# KiCad board 2000ATX.kicad_pcb (continued)
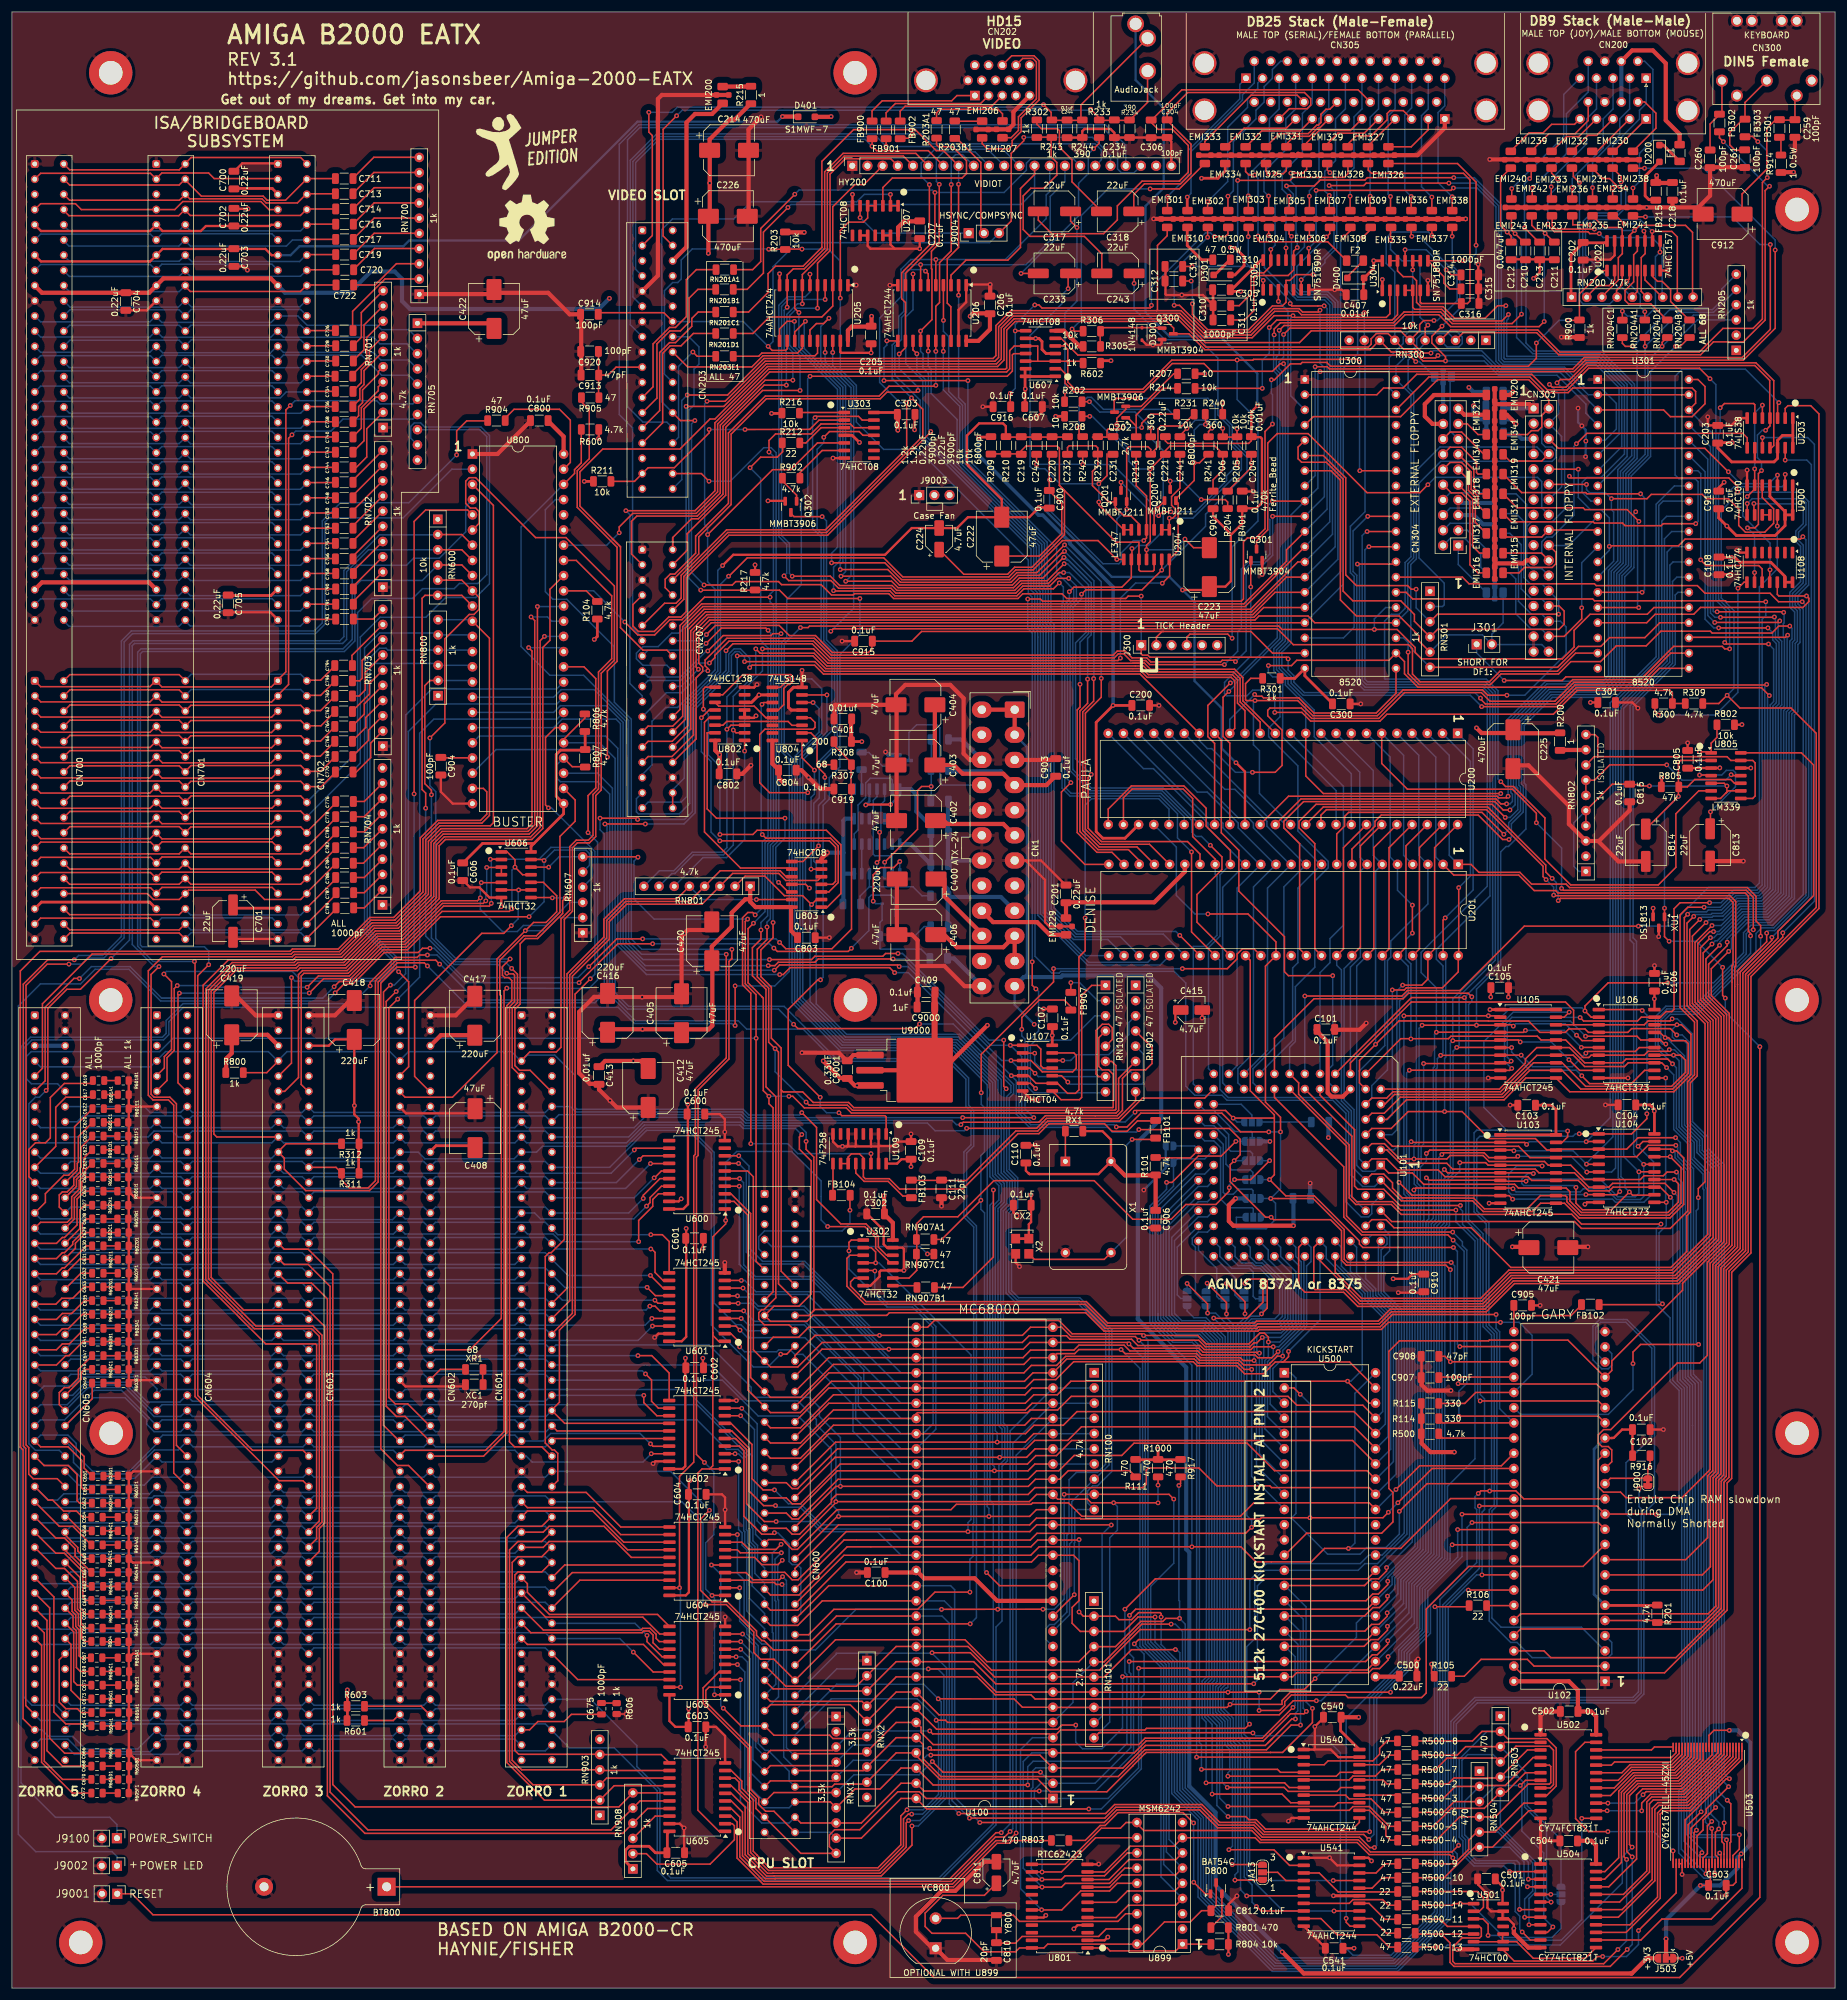
[diagram p0: board, top side]
## Routing (per net, layer and track width the routed paths; a pad name or vN(x,y) marks a point on that pad's centre or on a via; arc(x,y) is an arc through that point) (continued)
  Bottom w0.25: RN301.2 239.17,230.86 239.46,231.14 239.46,234.76 235.25,238.97 235.25,251.46 238.89,255.11 257.5,255.11 258.12,255.73 258.12,256.9 257.5,257.51 256.38,257.51 255.76,258.12 255.76,262.78 CN303.2
/Floppy and Parallel/_DKRST: length 66.1
  Top w0.25: v1(234.7,271.78) 233.6,272.88 178.19,272.88 175.4,275.67 U607.6
  Bottom w0.25: EMI312.1 235.33,271.78 v1(234.7,271.78)
/Floppy and Parallel/_DKWDB: length 62.6
  Top w0.25: v1(261.56,258.04) 263.31,259.79 289.36,259.79 290.12,259.03 290.12,257.11 ; CN303.22 255.72,239.78 EMI315.1
  Bottom w0.25: v1(261.56,258.04) 261.56,258.02 261.15,257.61 261.15,246.11 257.5,242.46 256.57,242.46 255.76,241.66 255.76,239.73 CN303.22
/Floppy and Parallel/_DKWEB: length 99.3
  Top w0.25: 293.93,257.11 294.55,257.74 294.55,268.59 291.58,271.57 263.24,271.57 260.45,268.78 258.88,268.78 v1(258.32,268.22)
  Bottom w0.25: EMI314.1 251.46,249.68 253.22,247.92 253.22,243.83 ; v1(258.32,268.22) 259.59,266.95 259.59,247.09 257.5,245 254.03,245 253.22,244.2 253.22,243.83 ; 253.22,243.83 253.22,237.99 254.03,237.19 255.76,237.19 CN303.24
/Floppy and Parallel/_INUSE0: length 43.6
  Top w0.25: v1(286.97,253.37) 283.02,257.29 258.53,257.29 CN303.6 ; U900.3 v1(295.17,252.81)
  Bottom w0.25: v1(286.97,253.37) 288.95,251.38 293.75,251.38 v1(295.17,252.81)
/Floppy and Parallel/_INUSE1: length 99.5
  Top w0.25: U108.9 v1(291.34,236.52) ; v1(293.19,260.3) 293.92,261.03 U203.4 ; 293.88,262.11 293.88,268.63 291.39,271.12 263.42,271.12 259.8,267.5 257.52,267.5 v1(257.05,267.97) ; v1(292.5,253.57) 291.99,253.05 291.99,244.58 291.4,243.99 v1(290.17,243.99)
  Bottom w0.25: v1(292.5,253.57) 292.5,255.04 291.82,255.72 291.82,259.49 292.63,260.3 v1(293.19,260.3) ; v1(291.34,236.52) 291.34,242.82 v1(290.17,243.99) ; v1(257.05,267.97) 258.57,266.45 258.57,263.05 CN303.4 259.08,259.28 259.08,250.86 CN303.14
/Floppy and Parallel/_IORST: length 61.6
  Top w0.25: 166.91,264.24 v1(166.91,266.48) ; 203.3,294.26 203.3,293.12 202.84,292.66 v1(201.02,292.66) ; v1(171.01,281.24) 171.7,281.24 172.21,280.74 190.31,280.74 190.5,280.92 v1(190.5,281.18) ; 169.38,276.91 v1(167.74,276.91)
  Bottom w0.25: v1(201.02,292.66) 200.39,293.28 199.55,293.28 190.5,284.23 v1(190.5,281.18) ; v1(166.91,266.48) 167.74,267.32 v1(167.74,276.91) 167.74,277.98 v1(171.01,281.24)
/Floppy and Parallel/_KBDATA: length 16
  Top w0.25: 289.7,307.08 288.1,307.08 287.2,307.99 287.2,310.06 289.35,312.21 ; CN300.2 289.75,315.08 289.75,312.21
/Floppy and Parallel/_MTROD: length 76.4
  Top w0.25: v1(236.73,251.21) 235.4,249.88 226.56,249.88 216.69,259.75 211.54,259.75 209.95,258.16 209.95,243.65 208.08,241.78 208.08,240.47
  Bottom w0.25: v1(236.73,251.21) 237.95,252.43 255.06,252.43 255.76,251.73 255.76,247.35 CN303.16
/Floppy and Parallel/_MTRX: length 84
  Top w0.25: EMI311.1 250.68,245 264.38,245 264.59,244.8 269.26,244.8 269.7,244.36 275.74,244.36 276.07,244.69 v1(281.51,244.69) ; v1(295.4,264.92) 295.19,264.71 U203.3
  Bottom w0.25: v1(295.4,264.92) 289.81,270.51 279.24,270.51 278.06,269.33 278.06,252.83 278.69,252.19 281.41,252.19 281.9,251.71 281.9,245.08 v1(281.51,244.69)
/Floppy and Parallel/_RDY: length 77.3
  Top w0.25: RN301.5 235.27,225.05 235.27,225.93 231.93,229.27 224.78,229.27 222.1,231.95 222.1,251.97 220.52,253.54 U300.7
  Bottom w0.25: EMI322.1 249.3,228.12 247.42,226.24 J301.2 245.85,226.11 239.96,226.11 RN301.5 ; CN303.34 255.76,224.49 247.47,224.49
/Floppy and Parallel/_TRK0: length 88.8
  Top w0.25: v1(258.59,229.57) 238.34,229.57 RN301.3 ; U300.6 219.26,256.08 223,252.34 223,236.13 224.78,234.35 233.33,234.35 233.94,233.74 v1(234.76,233.74)
  Bottom w0.25: v1(258.59,229.57) 258.59,231.83 CN303.26 255.76,234.65 253.84,234.65 252.77,235.71 252.77,245.07 251.46,246.38 EMI339.1 ; RN301.3 234.76,230.64 v1(234.76,233.74)
/Floppy and Parallel/_WPROT: length 95
  Top w0.25: CN303.28 258.67,230.94 259.51,230.1 259.51,227.89 258.65,227.03 238.34,227.03 RN301.4 234.47,228.38 234.47,229.52 232.19,231.81 224.17,231.81 222.55,233.43 222.55,252.15 219.74,254.96 215.61,254.96 215.03,255.54 215.03,257.5 U300.5
  Bottom w0.25: EMI324.1 250.44,243.08 252.32,241.2 252.32,233.81 254.03,232.11 255.76,232.11 CN303.28
/Memory and Kickstart/_MCASL: length 93.7
  Top w0.25: 234.55,11.49 238.8,11.49 239.99,10.29 U501.4 245.34,10.29 245.67,9.97 245.67,8.68 245.37,8.38 242.44,8.38 240.88,6.81 240.88,4.46 241.28,4.06 266.13,4.06 v1(268.5,6.44) ; 282.23,40.28 282.23,38.22 278.64,34.62 271.63,34.62 269.53,32.52 269.53,21.93 v1(269.96,21.49)
  Bottom w0.25: v1(268.5,6.44) 269.96,7.89 v1(269.96,21.49)
/Memory and Kickstart/_MCASU: length 90
  Top w0.25: v1(270.05,6.45) 267.21,3.61 241.09,3.61 240.43,4.28 240.43,7.54 238.95,9.02 ; 238.95,9.02 234.69,9.02 ; 238.95,9.02 U501.5 ; 282.73,40.28 282.73,38.09 278.82,34.17 271.82,34.17 269.98,32.33 269.98,22.82 v1(270.89,21.91)
  Bottom w0.25: v1(270.89,21.91) 270.89,7.29 v1(270.05,6.45)
/Memory and Kickstart/_MRAS0: length 15.4
  Top w0.25: 234.55,16.13 245,16.13 246.01,15.11 246.01,13.5 245.34,12.83 U501.2
/Memory and Kickstart/_MRAS1: length 34.1
  Top w0.25: U501.1 241.08,14.1 240.81,13.83 234.56,13.83
  Bottom w0.25: v1(242.14,14.11) 243.82,14.11 249.49,8.44 257.45,8.44 258.98,9.97 JA14.3
/Memory and Kickstart/_MWE: length 72.5
  Top w0.25: v1(270.87,23.54) 270.43,23.98 270.43,32.15 272.01,33.72 279.01,33.72 284.23,38.95 284.23,40.28 ; v1(238.22,6.85) 234.56,6.85
  Bottom w0.25: v1(238.22,6.85) 239.66,6.85 240,7.19 258.86,7.19 269.23,17.56 269.23,21.9 v1(270.87,23.54)
/Memory and Kickstart/_SRAMCE: length 40.8
  Top w0.25: 278.23,20.78 278.23,15.9 v1(271.94,9.61) ; 249.21,6.47 251.16,4.51 264.3,4.51 265.05,5.26 v1(265.95,5.26)
  Bottom w0.25: v1(271.94,9.61) 271.94,7.27 269.94,5.26 v1(265.95,5.26)
/Memory and Kickstart/CAS: length 23.7
  Top w0.25: 244.26,7.74 249.21,7.74 ; 249.21,7.74 249.21,9.01 ; 249.21,7.74 251.58,7.74 254.35,4.96 263.04,4.96 U504.13
/Memory and Kickstart/DRAB0: length 49.5
  Top w0.25: U502.2 249.56,41.05 RN503.3 243.05,40.34 241.63,38.91 234.52,38.91
  Bottom w0.25: JA14.1 258.98,24.8 253.34,30.44 253.34,35.84 RN503.3
/Memory and Kickstart/DRAB1: length 51.1
  Top w0.25: U502.3 253.37,39.78 RN503.5 ; 248.69,35.1 241.09,35.1 240.09,34.1 234.55,34.1 ; v1(257.33,14.36) 255.56,14.36
  Bottom w0.25: RN503.5 251.83,35.26 252.89,34.19 252.89,30.26 256.56,26.59 256.56,15.13 v1(257.33,14.36)
/Memory and Kickstart/DRAB2: length 56.5
  Top w0.25: U504.7 252.07,13.11 v1(252.05,13.13) ; U502.4 254.33,38.51 249.66,33.84 245.5,33.84 ; RN504.2 241.3,33.69 239.32,31.7 234.55,31.7
  Bottom w0.25: v1(252.05,13.13) 252.05,16.93 252.05,20.83 251.58,21.29 245.31,21.29 245.31,21.3 244.79,21.3 243.48,22.6 243.48,24.98 242.87,25.59 242.87,31.21 RN504.2
/Memory and Kickstart/DRAB3: length 55.6
  Top w0.25: U502.5 257.05,37.24 257.28,37.01 257.28,34.33 257.03,34.08 253.48,34.08 248.01,28.61 RN504.4 242.05,28.61 238.15,24.7 234.54,24.7 ; v1(252.9,11.83) 255.53,11.83
  Bottom w0.25: v1(252.9,11.83) 252.9,14.86 254.25,16.21 254.25,20.92 246.56,28.61 RN504.4
/Memory and Kickstart/DRAB4: length 51.7
  Top w0.25: U502.6 253.03,35.97 249.77,32.72 RN503.6 246.15,30.02 240.63,30.02 237.63,27.02 234.54,27.02 ; U504.9 v1(253.63,10.57)
  Bottom w0.25: v1(253.63,10.57) 253.63,14.95 254.7,16.02 254.7,21.1 248.84,26.96 RN503.6
/Memory and Kickstart/DRAB5: length 51.6
  Top w0.25: U502.7 253.03,34.7 v1(252.17,33.84) ; RN504.3 241.12,31.15 239.32,29.35 234.55,29.35 ; U504.10 256.71,9.3 v1(257.62,10.21)
  Bottom w0.25: v1(257.62,10.21) 256.11,11.72 256.11,22.56 252.44,26.22 252.44,33.61 252.21,33.84 v1(252.17,33.84) 248.04,33.84 RN504.3
/Memory and Kickstart/DRAB6: length 81.4
  Top w0.25: v1(252.5,9.37) 253.84,8.03 U504.11 ; 234.56,36.5 238,36.5 239.92,38.43 248.21,38.43 RN503.4 251.46,40.41 257.06,40.41 257.73,39.74 257.73,33.97 257.19,33.43 U502.8
  Bottom w0.25: v1(252.5,9.37) 252.1,9.77 252.1,12.01 251.32,12.78 251.32,20.65 251.13,20.84 244.61,20.84 243.03,22.42 243.03,24.79 242.42,25.4 242.42,38.06 243.36,39 247.63,39 RN503.4
/Memory and Kickstart/DRAB7: length 74.3
  Top w0.25: U502.9 256.58,32.16 258.18,33.76 258.18,40.13 256.63,41.68 250.04,41.68 RN503.2 245.77,42.88 244.18,41.29 234.51,41.29 ; U504.2 v1(250.38,19.46)
  Bottom w0.25: v1(250.38,19.46) 249.45,20.39 244.42,20.39 242.58,22.23 242.58,24.6 241.97,25.22 241.97,38.25 246.6,42.88 RN503.2
/Memory and Kickstart/DRAB8: length 40.8
  Top w0.25: v1(253.53,18.19) U504.3 ; 244.92,26.07 243.56,24.71 243.56,23.19 241.14,20.77 234.56,20.77 ; RN504.5 247.93,26.07 252.76,30.89 U502.10
  Bottom w0.25: v1(253.53,18.19) 253.53,21.01 248.47,26.07 RN504.5
/Memory and Kickstart/DRAB9: length 40.7
  Top w0.25: U504.4 v1(253.37,16.92) ; U502.11 253.61,29.62 247.51,23.53 RN504.6 244.54,23.53 239.45,18.44 234.55,18.44
  Bottom w0.25: v1(253.37,16.92) 252.8,17.48 252.8,21.09 250.37,23.53 RN504.6
/Memory and Kickstart/DRABx: length 3.4
  Top w0.25: U504.5 v1(257.28,15.65)
  Bottom w0.25: v1(257.28,15.65) 258.98,15.65
/Memory and Kickstart/DRAC0: length 35.9
  Top w0.25: v1(277.72,22.92) 277.73,22.9 277.73,20.78 ; U502.23 262.97,41.05 261.42,39.5 261.42,28.31 263.6,26.14 v1(266.82,26.14)
  Bottom w0.25: v1(266.82,26.14) 274.49,26.14 v1(277.72,22.92)
/Memory and Kickstart/DRAC1: length 13.1
  Top w0.25: U502.22 274.11,39.78 274.6,40.28 277.73,40.28
/Memory and Kickstart/DRAC2: length 14.6
  Top w0.25: U503.23 278.23,39.31 277.43,38.51 U502.21
/Memory and Kickstart/DRAC3: length 15.7
  Top w0.25: U502.20 267.4,37.24 267.93,37.77 277.33,37.77 278.73,39.18 U503.22
/Memory and Kickstart/DRAC4: length 16.8
  Top w0.25: U502.19 269.17,35.97 270.52,37.32 277.52,37.32 279.23,39.04 U503.21
/Memory and Kickstart/DRAC5: length 17.9
  Top w0.25: U503.20 279.73,38.9 277.7,36.87 270.7,36.87 268.53,34.7 U502.18
/Memory and Kickstart/DRAC6: length 19
  Top w0.25: U503.19 280.23,38.77 277.89,36.42 270.89,36.42 267.9,33.43 U502.17
/Memory and Kickstart/DRAC7: length 20.1
  Top w0.25: U503.18 280.73,38.63 278.08,35.97 271.08,35.97 267.27,32.16 U502.16
/Memory and Kickstart/DRAC8: length 25.3
  Top w0.25: U503.8 285.73,39.18 279.38,32.82 273.23,32.82 v1(272.7,32.29) ; U502.15 v1(266.82,30.89)
  Bottom w0.25: v1(272.7,32.29) 271.3,30.89 v1(266.82,30.89)
/Memory and Kickstart/DRAC9: length 27.3
  Top w0.25: v1(272.47,29.61) 272.47,30.9 273.94,32.37 279.57,32.37 286.23,39.04 286.23,40.28 ; U502.14 v1(266.7,29.62)
  Bottom w0.25: v1(266.7,29.62) 272.46,29.62 v1(272.47,29.61)
/Memory and Kickstart/DRAD1: length 40.7
  Top w0.25: U504.19 268.79,14.38 273.77,19.36 273.77,30.79 274.42,31.43 279.9,31.43 287.23,38.77 287.23,40.28
/Memory and Kickstart/DRAD2: length 42.1
  Top w0.25: 287.73,40.28 287.73,38.63 280.08,30.98 275.18,30.98 274.22,30.03 274.22,18.12 269.21,13.11 U504.18
/Memory and Kickstart/DRAD3: length 43.2
  Top w0.25: U504.17 268.58,11.84 274.67,17.93 274.67,29.84 275.37,30.53 280.27,30.53 288.23,38.49 288.23,40.28
/Memory and Kickstart/DRAD4: length 45.6
  Top w0.25: 288.73,40.28 288.73,38.36 280.46,30.08 275.96,30.08 275.12,29.24 275.12,15.19 270.5,10.57 U504.16
/Memory and Kickstart/DRAD5: length 46.7
  Top w0.25: U504.15 269.87,9.3 275.57,15 275.57,29.06 275.58,29.06 275.58,29.06 276.16,29.63 280.64,29.63 289.23,38.22 289.23,40.28
/Memory and Kickstart/DRAD6: length 32.1
  Top w0.25: U504.14 272.35,8.03 275.85,11.53 284.1,11.53 289.23,16.67 289.23,20.78
/Memory and Kickstart/DRAD7: length 32.6
  Top w0.25: U504.23 266.32,19.46 268.63,21.77 268.63,32.89 271.26,35.52 278.26,35.52 281.23,38.5 281.23,40.28
/Memory and Kickstart/DRAD8: length 34
  Top w0.25: U504.22 266.28,18.19 269.08,20.99 269.08,32.71 271.45,35.07 278.45,35.07 281.73,38.36 281.73,40.28
/Memory and Kickstart/DRAD9: length 36.9
  Top w0.25: U504.21 266.97,16.92 271.62,21.56 271.62,32.26 272.63,33.27 279.2,33.27 285.23,39.31 285.23,40.28
/Memory and Kickstart/DRADx: length 39.7
  Top w0.25: U504.20 269.42,15.65 273.32,19.55 273.32,31.1 274.15,31.92 279.75,31.92 286.73,38.9 286.73,40.28
/Memory and Kickstart/RAS: length 41.5
  Top w0.25: 244.26,11.55 245.94,11.55 246.8,10.69 v1(246.8,8.79) ; v1(262.46,28.35) U502.13
  Bottom w0.25: v1(262.46,28.35) 262.46,11.42 259.02,7.99 249.3,7.99 248.5,8.79 v1(246.8,8.79)
/Paula/FIR0: length 26.3
  Top w0.25: v1(271.02,300.79) 271.02,298.73
  Bottom w0.25: CN200.6 272.97,321.97 274.35,320.59 274.35,308.82 272.1,306.57 272.1,301.87 v1(271.02,300.79)
/Power/_PS-ON: length 27
  Bottom w0.25: CN1.16 155.51,201.01 155.12,201.4 155.12,210.59 154.62,211.09 151.24,211.09 149.97,209.81 149.97,205.12
/Serial/CD: length 115.1
  Top w0.25: U305.11 v1(213,290.78) ; v1(241.05,302.51) 226.59,302.51 226.2,302.11 218.73,302.11 217.75,301.13 v1(213.09,301.13)
  Bottom w0.25: v1(213,290.78) 213,297.38 214.24,298.62 214.24,299.76 213.06,300.95 ; U301.7 269.14,257.56 269.14,267.59 264.98,271.75 249.46,271.75 249.01,272.2 249.01,298.01 244.5,302.51 v1(241.05,302.51)
/Serial/CTS: length 110.7
  Top w0.25: U305.6 v1(215.54,285.45) ; v1(220.22,301.19) 226.01,301.19 226.42,301.6 v1(240.23,301.6)
  Bottom w0.25: v1(215.54,285.45) 221.03,290.93 221.03,300.38 v1(220.22,301.19) ; v1(240.23,301.6) 244.78,301.6 248.56,297.82 248.56,272.02 249.27,271.3 264.79,271.3 268.69,267.41 268.69,259.65 U301.6
/Serial/DSR: length 100.7
  Top w0.25: U305.8 v1(216.81,290.73) ; v1(241,300.79) 240.6,300.39 v1(218.04,300.39)
  Bottom w0.25: v1(216.81,290.73) 218.04,291.95 v1(218.04,300.39) ; v1(241,300.79) 244.7,300.79 244.71,300.79 244.96,300.79 248.11,297.63 248.11,271.83 249.09,270.85 259.57,270.85 263.05,267.37 265.67,267.37 268.24,264.8 268.24,260.51 266.35,258.62 U301.5
/Serial/DTR: length 83.6
  Top w0.25: U304.13 U304.12 231.65,286.93 232.61,285.97 234.16,285.97 234.83,285.29 234.83,281.67 235.55,280.96 239.24,280.96 241.17,279.03 246.3,279.03 248.39,281.12 v1(249.76,281.12)
  Bottom w0.25: U301.9 263.99,248.46 262.52,249.94 262.52,251.6 263.33,252.42 265.67,252.42 269.59,256.34 269.59,267.78 265.16,272.2 249.65,272.2 249.46,272.39 249.46,280.81 v1(249.76,281.12)
/Serial/RESET: length 510.3
  Top w0.25: v1(276.29,180.44) XU1.1 276.29,175.69 v1(277.06,174.92) ; U805.2 278.97,205.13 278.62,204.77 278.62,200.71 280.11,200.71 281.35,201.95 287.36,201.95 287.99,201.32 U805.10 ; 273.15,193.66 v1(278.61,199.12) 278.61,200.64 ; J9001.1 20.07,15.75 23.57,12.25 143.65,12.25 154.14,1.76 278.82,1.76 292.23,15.16 v1(292.23,157.29) ; v1(286.45,165.42) 286,165.86 v1(286,170.56)
  Bottom w0.25: v1(292.23,157.29) 286.45,163.07 v1(286.45,165.42) ; v1(278.61,199.12) 276.29,196.79 v1(276.29,180.44) ; v1(277.06,174.92) 281.65,174.92 v1(286,170.56)
/Serial/RTS: length 69.6
  Top w0.25: U304.4 U304.5 234.19,280.84 234.52,280.51 239.05,280.51 240.98,278.58 249.12,278.58 v1(250.19,279.65)
  Bottom w0.25: U301.8 270.04,255.92 270.04,267.96 265.35,272.65 249.98,272.65 249.91,272.72 249.91,278.67 250.19,278.95 v1(250.19,279.65)
/Video/_COMPSYNC: length 124.4
  Top w0.25: J9004.3 167.06,295.27 167.06,306.58 169.16,308.68 v1(169.16,309.25) ; CN203.14 108.98,279.95 98.21,279.95 ; v1(126.43,274.32) 127.1,273.65 129.35,273.65 129.6,273.9 U205.12
  Bottom w0.25: HY200.18 183.67,306.23 180.65,309.25 v1(169.16,309.25) ; J9004.3 163.45,291.66 131.25,291.66 127.24,287.64 127.24,275.13 v1(126.43,274.32) 122.28,278.47 CN203.14
/Video/BLUE: length 117.4
  Top w0.25: v1(150.56,309.81) 149.84,309.1 148.5,309.1
  Bottom w0.25: v1(150.56,309.81) 152.15,309.81 153.8,308.17 181.1,308.17 182.13,307.13 182.13,305.5 HY200.17 ; 150.57,309.83 107.79,309.83 103.37,305.41 103.37,277.94 CN203.15
/Video/BURST: length 28.3
  Top w0.25: CN203.18 112.96,270.89 123.7,270.89 125.56,272.75 134.24,272.75 134.68,273.19 134.68,275.26
/Video/COMPVID: length 175
  Bottom w0.25: 105.38,225.63 103.76,227.25 103.76,260.7 101.54,262.93 101.54,308.09 104.8,311.35 182.82,311.35 186.21,307.96 HY200.19
/Video/GREEN: length 94.5
  Top w0.25: FB901.2 146.15,307.8 146.16,307.79 v1(146.14,307.77)
  Bottom w0.25: CN203.11 103.82,282.57 103.82,305.22 107.98,309.38 144.53,309.38 v1(146.14,307.77) 146.19,307.72 165.21,307.72 HY200.12
/Video/PIXELSW: length 20.8
  Top w0.25: 117.73,272.67 114.55,272.67 v1(113.84,273.38)
  Bottom w0.25: v1(113.84,273.38) 111.44,270.98 111.44,259.13 CN203.30
/Video/RED: length 75.6
  Top w0.25: HY200.7 153.2,307.02 144.53,307.02 v1(143.79,307.77) 143.8,307.78 FB900.2
  Bottom w0.25: CN203.7 104.27,287.2 104.27,305.03 108.17,308.93 142.63,308.93 v1(143.79,307.77)
/Video/SYNC: length 146.5
  Bottom w0.25: CN203.28 109.48,261.67 105.49,261.67 102.92,264.24 102.92,308.84 104.96,310.89 175.74,310.89 175.75,310.9 182.32,310.9 184.84,308.38 184.84,303.97 185.5,303.32 187.57,303.32 HY200.20
/Zorro_Expansion/_CFGIN2: length 93
  Top w0.25: v1(27.99,166.24) 27.76,166.01 27.76,151.26 29.18,149.83 ; v1(83.59,180.34) 83.16,179.91 71.9,179.91 65.94,173.94 61.87,173.94 56.57,168.64 52.08,168.64 v1(49.71,166.27) ; U606.1 82.8,189.84 84.1,188.54 v1(84.1,187.3) 85.37,186.03 U606.11
  Bottom w0.25: v1(27.99,166.24) 49.68,166.24 v1(49.71,166.27) ; v1(83.59,180.34) 83.59,186.79 v1(84.1,187.3)
/Zorro_Expansion/_CFGIN3: length 65.1
  Top w0.25: 49.5,149.83 48.35,150.98 48.35,169.11 48.81,169.56 56.22,169.56 61.5,174.84 65.56,174.84 71.96,181.24 78.8,181.24 v1(79.22,181.66) ; v1(79.38,187.25) 81.78,187.25 ; U606.3 U606.4
  Bottom w0.25: v1(79.38,187.25) 79.38,182.98 79.22,182.83 v1(79.22,181.66)
/Zorro_Expansion/_CFGIN4: length 49.1
  Top w0.25: U606.9 v1(84.71,183.49) U606.6 ; 83.49,177.49 83.51,177.52 v1(83.49,177.52) 83.49,177.49 ; 83.49,177.49 82.23,176.24 78.54,176.24 67.32,165.02 67.32,152.34 69.82,149.83
  Bottom w0.25: v1(84.71,183.49) 84.63,183.41 84.63,178.67 v1(83.49,177.52)
/Zorro_Expansion/_CFGIN5: length 46.3
  Top w0.25: 90.14,149.83 86.62,153.35 84.87,153.35 84.08,154.14 84.08,163.56 84.96,164.44 84.96,174.5 85.83,175.37 87.87,175.37 92.07,179.56 92.07,181.7 v1(92.53,182.17) ; U606.8 90.3,182.22 v1(90.35,182.17)
  Bottom w0.25: v1(90.35,182.17) 92.48,182.17
/Zorro_Expansion/_CFGOUT1: length 158
  Top w0.25: 3.78,149.83 5.54,151.59 5.54,163.89 10.36,168.71 11.25,168.71 ; U606.13 88.8,188.57 v1(88.96,188.4) ; v1(53.86,167.32) 53.86,167.32 54.73,168.19 56.76,168.19 62.06,173.49 66.12,173.49 71.64,179.01 86.45,179.01 v1(86.46,179.02)
  Bottom w0.25: RN607.5 96.55,187.61 96.55,189.57 95.97,190.15 90.71,190.15 v1(88.96,188.4) 88.96,181.52 v1(86.46,179.02) ; 51.94,165.39 45.29,165.39 26.06,165.4 25.02,165.4 ; 51.94,165.39 v1(53.86,167.32) ; 51.94,165.39 28.14,165.39 28.13,165.4 25.02,165.4 ; v1(11.28,168.68) 13.28,170.68 19.74,170.68 25.02,165.4
/Zorro_Expansion/_CFGOUT2: length 111.5
  Top w0.25: v1(27.64,167.51) 27.13,167 27.13,156.66 25.93,155.46 25.93,151.66 24.1,149.83 ; v1(79.98,188.62) 81.78,188.62 ; v1(80.14,181.25) 79.83,180.79 72.15,180.79 65.75,174.39 61.68,174.39 56.41,169.11 51.23,169.11 v1(49.35,167.23)
  Bottom w0.25: v1(49.35,167.23) 34.42,167.23 34.14,167.51 v1(27.64,167.51) ; RN607.4 97,185.52 97,189.75 96.15,190.6 90.09,190.6 88.11,188.62 v1(79.98,188.62) 80.14,188.47 v1(80.14,181.25)
/Zorro_Expansion/_CFGOUT3: length 85.9
  Top w0.25: 44.42,149.83 45.59,149.83 47.9,152.15 47.9,169.35 48.57,170.01 56.03,170.01 61.31,175.29 65.33,175.29 69.61,179.56 69.65,179.56 71.78,181.69 77.83,181.69 v1(78.31,182.17) ; v1(78.46,184.71) 81.78,184.71
  Bottom w0.25: RN607.3 93.19,181.41 89.34,177.56 85.51,177.56 84.5,176.54 82.01,176.54 78.31,180.24 v1(78.31,182.17) 78.31,184.56 v1(78.46,184.71)
/Zorro_Expansion/_CFGOUT4: length 67.1
  Top w0.25: U606.10 88.83,184.76 91.07,182.52 91.07,179.84 89.29,178.05 87.2,178.05 v1(85.83,176.68) 81.1,171.96 81.1,156.31 73.65,148.85 65.72,148.85 64.74,149.83
  Bottom w0.25: v1(85.83,176.68) 89.1,176.68 91.29,178.87 RN607.2
_AS: length 462.1
  Top w0.25: U102.13 252.77,81.74 251.42,83.08 247.08,83.08 v1(247.05,83.05) 247.02,83.08 245.58,83.08 v1(245.15,82.65) ; U101.24 211.07,158.7 217.69,165.31 232.58,165.31 233.5,166.23 243.47,166.23 v1(244.07,165.63) ; v1(149.64,29.79) 148.6,28.75 148.6,23.92 144.77,20.09 126.68,20.09 124.6,22.17 124.6,22.2 123.93,22.86 123.93,31.46 122.02,33.37 122.02,34.58 120.25,36.35 U605.9 ; RN101.5 182.6,54.51 188.9,60.81 v1(193.8,60.81) ; v1(154.52,44.75) 156.07,44.75 156.44,44.39 U100.6
  Bottom w0.25: v1(247.05,83.05) 247.37,83.37 247.37,109.1 245.94,110.52 245.94,126.04 243.53,128.46 243.53,164.34 244.07,164.88 v1(244.07,165.63) ; v1(193.8,60.81) 194.5,60.81 195.71,59.6 195.71,33.25 200.11,28.85 200.11,15.94 211.46,4.59 230.95,4.59 238.75,12.38 238.75,64.95 244.89,71.09 244.89,79.96 244.61,80.24 244.61,82.11 v1(245.15,82.65) ; U100.6 177.39,47.73 177.39,51 RN101.5 ; v1(149.64,29.79) 149.65,29.78 152.33,29.78 154.91,32.37 154.91,44.36 v1(154.52,44.75) 154.52,45.17 151.36,48.33 136.98,48.33 130.91,42.26 CN600.74
_BAS: length 376.1
  Top w0.25: RN903.5 108.53,39.01 U605.11 ; 90.14,71.09 88.58,69.53 84.59,69.53 84.08,69.03 84.08,39.69 84.72,39.05 98.23,39.05 ; 49.5,71.09 51.38,72.97 51.38,76.78 52.28,77.68 52.28,110.53 49.52,113.29 38.75,113.29 33.31,118.74 33.31,166.58 37.19,170.46 47.54,170.46 47.99,170.91 55.66,170.91 60.94,176.19 64.96,176.19 70.97,182.2 70.97,191.07 72.28,192.37 86.72,192.37 88.3,193.95 88.3,225.13 v1(89.03,225.86) ; 13.29,62.48 12.43,62.48 11.4,63.51 11.4,68.58 CN605.74
  Bottom w0.25: 8.86,71.09 9.84,72.07 28.2,72.07 29.18,71.09 30.16,72.07 48.52,72.07 49.5,71.09 50.48,72.07 68.84,72.07 69.82,71.09 70.8,72.07 89.16,72.07 90.14,71.09 ; v1(89.03,225.86) U800.36
_BEER: length 320.7
  Top w0.25: 69.82,106.65 76.57,106.65 81.81,111.9 81.81,165.76 81.55,166.02 81.55,171.77 85.6,175.82 87.69,175.82 91.62,179.75 91.62,192.43 94.16,194.97 94.16,198.53 U800.26 ; 187.86,85.47 186.87,86.45 176.61,86.45 175.17,85.01 U100.22 171.11,85.01 169.92,83.82 v1(138.51,83.84) 137.73,83.84 130.91,77.01
  Bottom w0.25: 8.86,106.65 9.84,107.63 28.2,107.63 29.18,106.65 30.16,107.63 48.52,107.63 49.5,106.65 50.48,107.63 68.84,107.63 69.82,106.65 70.8,107.63 89.16,107.63 90.14,106.65 90.95,107.46 116.53,107.46 123.59,100.4 123.59,99.3 124.19,98.7 133.33,98.7 134.99,97.04 134.99,95.51 138.51,92 v1(138.51,83.84)
_BG: length 258.8
  Top w0.25: v1(126.64,171.86) 133.69,171.86 134.24,172.41 145.6,172.41 146.06,172.87 v1(148.13,172.87) ; v1(166.22,150.27) 165.81,150.67 v1(165.81,158.39)
  Bottom w0.25: U100.11 172.92,58.2 172.92,60.15 173.5,60.74 174.29,60.74 176.37,62.82 176.37,75.66 176.73,76.02 176.73,84.94 177.96,86.16 181.49,86.16 182.84,87.51 182.86,105.83 182.86,109.75 178.16,114.45 167.89,114.45 166.2,116.14 166.2,129.69 167.25,130.73 167.25,135.01 165.85,136.41 165.85,149.9 v1(166.22,150.27) ; v1(165.81,158.39) 163.37,158.39 148.89,172.87 v1(148.13,172.87) ; v1(126.64,171.86) 105.5,171.86 102.63,174.73 102.63,211.67 97.33,216.97 91.83,216.97 90.56,215.7 U800.17
_BGACK: length 698.3
  Top w0.25: v1(172.36,63.3) v1(164.8,63.29) v1(155.42,63.28) ; v1(134.26,262.41) 134.48,262.63 141.53,262.63 142.16,262 U303.13 ; v1(272.02,83.42) 272.41,83.81 273.79,83.81 ; v1(175.92,82.5) RN100.9 193.44,82.5 v1(194.24,81.7) ; CN600.62 127.3,56.5 125.74,58.06 125.36,58.06 124.48,58.94 124.48,59.67 119.62,64.53 117.05,64.53 115.13,66.45 115.13,78.35 v1(116.61,79.83)
  Bottom w0.25: 90.14,86.33 89.16,85.35 70.8,85.35 69.82,86.33 68.84,85.35 50.48,85.35 49.5,86.33 ; v1(194.24,81.7) 194.24,70.98 190.38,67.13 190.38,57.88 193.9,54.36 193.9,32.51 198.31,28.11 198.31,15.2 210.72,2.79 231.7,2.79 240.58,11.67 240.58,19.65 241.63,20.7 241.63,22.41 241.03,23.01 241.03,44.36 244.77,48.1 271.18,48.1 272.39,49.31 272.39,80.07 272.02,80.44 v1(272.02,83.42) ; v1(164.8,63.29) 165,63.49 165,87.33 165.98,88.31 165.98,93.58 165.3,94.26 165.3,128.22 165.3,130.06 166.35,131.1 166.35,134.64 164.85,136.13 164.85,151.68 158.07,158.46 140.09,158.46 139.17,158.46 132.7,164.94 132.7,164.94 132.21,165.43 132.21,205.22 137.07,210.08 137.07,223.12 135.28,224.91 135.28,242.49 133.86,243.91 133.86,261.38 133.85,261.39 133.85,261.99 v1(134.26,262.41) ; v1(175.92,82.5) 175.92,64.97 174.24,63.3 v1(172.36,63.3) ; v1(116.61,79.83) 110.11,86.33 CN601.62 ; CN600.62 134.34,56.5 141.12,63.28 147.23,63.28 v1(155.42,63.28) ; CN604.62 30.29,85.35 48.65,85.35 CN603.62 ; CN605.62 11.19,84.04 22.12,84.04 23.44,85.35 28.2,85.35 29.18,86.33
_BHS: length 188.1
  Top w0.25: v1(136.91,226.72) 137.32,227.13 211.57,227.13 214.23,224.48 233.48,224.48 234.15,223.81 234.15,219.56 235.44,218.27 247,218.27 248.76,220.03 258.39,220.03 261.42,223.06 U301.19 ; U205.18 v1(137.22,273.3)
  Bottom w0.25: v1(137.22,273.3) 137.22,271.11 140.72,267.61 140.72,230.54 v1(136.91,226.72)
_BLDS: length 380.6
  Top w0.25: U605.13 99.42,35.08 RN903.3 ; 90.14,76.17 88.58,74.61 84.59,74.61 83.18,73.2 83.18,37.87 87.09,33.97 98.24,33.97 ; 49.5,76.17 51.38,78.05 51.38,108.89 50.1,110.17 40.53,110.17 38.49,112.21 38.49,112.24 32.41,118.32 32.41,166.95 36.82,171.36 47.17,171.36 47.62,171.81 55.29,171.81 60.57,177.09 64.59,177.09 70.07,182.58 70.07,191.44 71.91,193.27 86.28,193.27 87.4,194.39 87.4,228.5 v1(86.79,229.11) ; 8.89,75.72 11,73.61 11,73.02 12.27,71.75 13.35,71.75
  Bottom w0.25: 90.14,76.17 89.16,77.15 70.8,77.15 69.82,76.17 68.84,77.15 50.48,77.15 49.5,76.17 48.52,77.15 30.16,77.15 29.18,76.17 28.2,77.15 9.84,77.15 8.86,76.17 ; U800.37 90.25,228.4 89.54,229.11 v1(86.79,229.11)
